# Altium PCB MB988.PcbDoc (part 2 of 4)
Units mil, origin at the board's own origin, x right, y up, seen from the top; angles counter-clockwise.
Board outline 4505 x 6805 mil, 4 copper layers (TopLayer, VCC, GND, BottomLayer), stack 71.6 mil thick; 546 components, 390 nets, 1907 pads, 809 vias.
Unrouted connection lines stored in the file: 2.
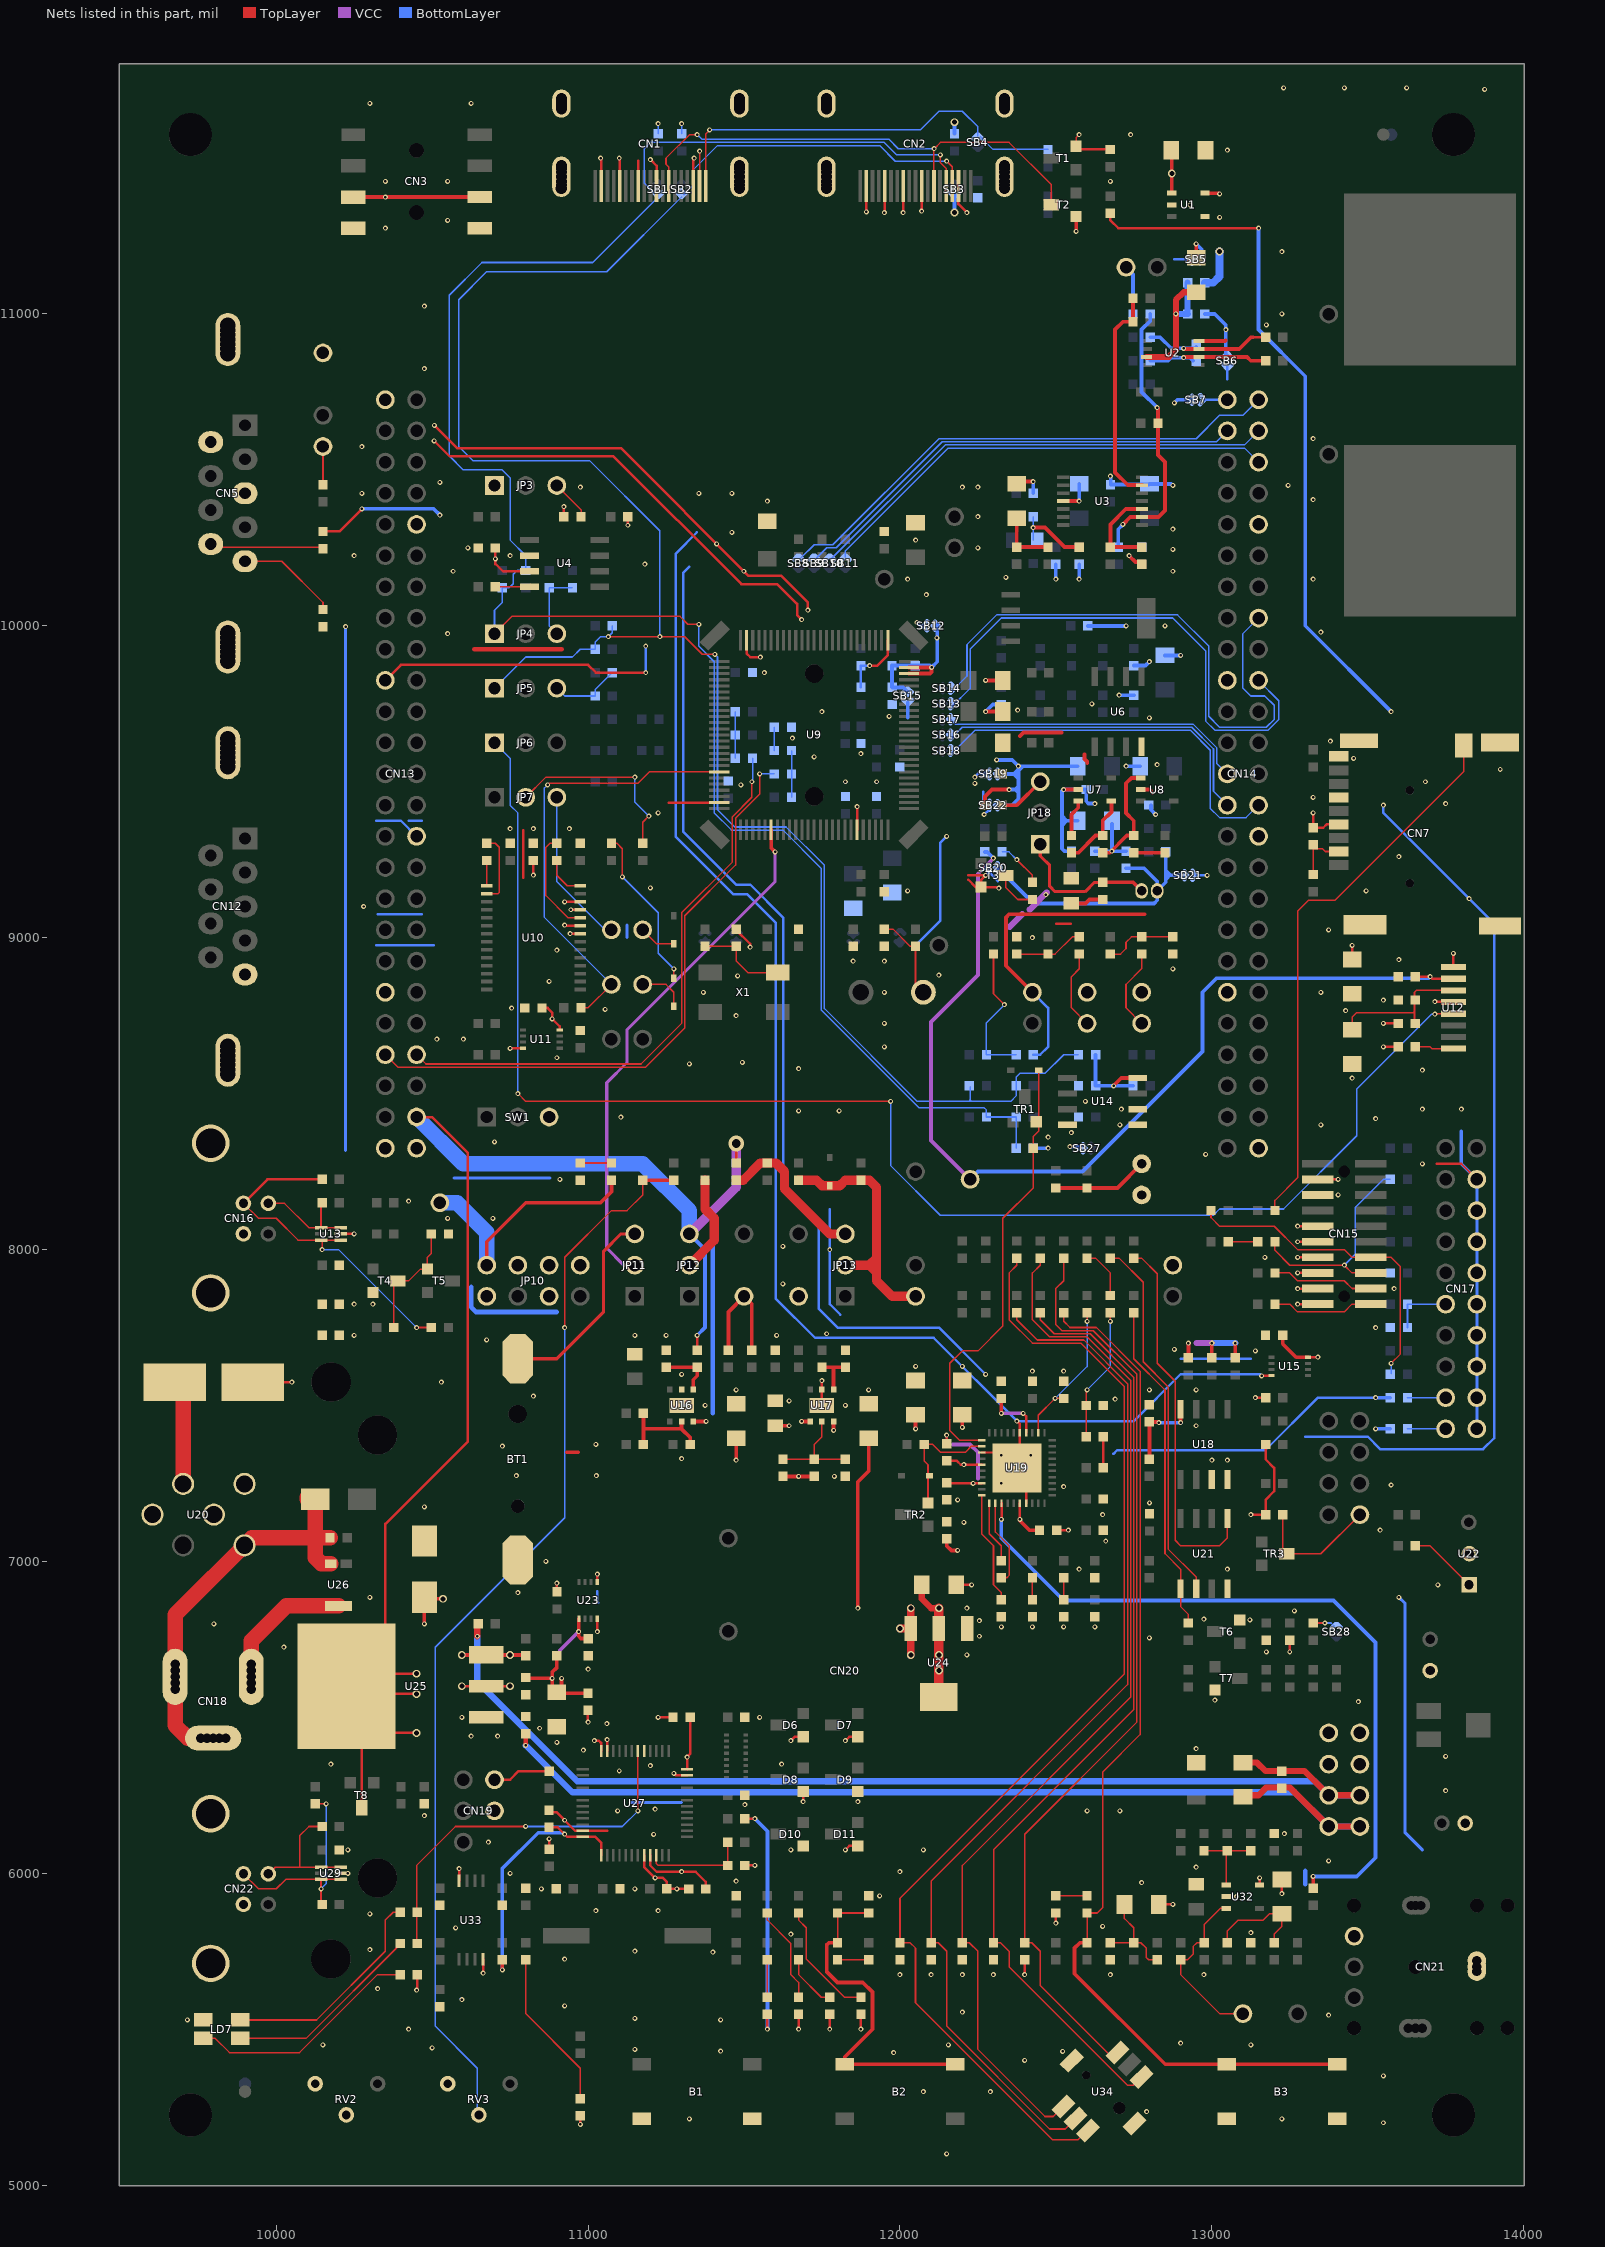
[diagram p4: the nets of this part, all layers, seen from the top]

## Footprints (in the part's own frame and the unit in brackets; to place one, negate y for a bottom-side part, rotate by r counter-clockwise, add the part's x,y. Pads: shape width x height; smd on the part's side, far side on the other; paste and mask are expansions set on the pad) (continued)
XTAL_socket [mil]
  round 80 hole 53 mask+4: 1(100,0) 2(-100,0)
  silkscreen extent -215,-89 214,89

## Free pads (board coordinates)
  round 137.8 hole 137.8 unplated mask+4: 0(9725,5225) 0(13775,5225) 0(13775,11575)
  round 137.79 hole 137.79 unplated mask+4: 0(9725,11575)

## Via types
v1: diameter 16, hole 8, TopLayer to BottomLayer, tented both sides, 786 vias
v2: diameter 25, hole 16, TopLayer to BottomLayer, tented both sides, 20 vias
v3: diameter 50, hole 28, TopLayer to BottomLayer, tented both sides, 3 vias

## Nets (pads, with @x,y where several pads share a name; then routed paths per layer and width w, separated by ;. In a path a pad name is that pad's centre, name@x,y a point inside that pad or via, vN(x,y) a via of type N, cw(c..) or ccw(c..) an arc to the next point about the centre after c; other vN are vias at no path point)
+1V8: C37.1 C41.2 R99.2 R102.2 R114.1 TP12.1 U17.4 | length 548.7
  TopLayer w12: R102.2@11450,7677.5 11450,7800 TP12.1@11500,7850 11525,7825 R99.2@11525,7677.5 ; C37.1@11600,7435 v1(11645,7435) ; C41.2@11625,7272.5 R114.1@11725,7272.5 ; v1(11685,7448.82) U17.4@11712.6,7448.82
  other v1: 11675,7272.5
+2V5: C32.1 C43.1 C49.1 C130.1 C132.1 R166.1 TP13.1 U19.13 U19.16 U19.34 U24.2 | length 3218.7
  TopLayer w8: v1@12325.79,7135.79 U19.13@12325.79,7187.01 ; v1@12384.84,7130.16 U19.16@12384.84,7187.01 ; v1(12395,7475) 12404.53,7465.47 U19.34@12404.53,7412.99
  TopLayer w12: C132.1@12150.28,7072.56 12150.28,7049.72 12165,7035 v1(12185,7035) ; v1(12200,7430) C32.1@12200,7470 ; v1@12325.28,7475.28 C43.1@12325.28,7522.44 ; v1@12384.84,7130.16 12415.28,7099.72 C130.1@12447.56,7099.72 ; R166.1@13325,5952.5 v1(13325,5990)
  TopLayer w20: C49.1@12070,6925 12070,6880 12100,6850 v2(12125,6850)
  TopLayer w30: U24.2@12125,6565 v2(12125,6850)
  VCC w12: v1(12325,7475) v1(12395,7475)
  BottomLayer w12: v1(12325,7135) 12325,7075 12525,6875 13390,6875 13525,6740 13525,6050 13465,5990 v1(13325,5990)
  other v1: 12384.84,7135
  other v2: 12125,6650 12125,6700
+3V3: C6.2 C12.2 C22.1 C23.1 C57.1 C58.1 C60.1 C61.2 C69.2 C76.2 C120.2 C124.2 C133.2 CN7.4 CN13.48 CN19.4 CN20.9 CN20.10 JP12.3 LD1.1 LD2.1 LD3.1 LD4.1 LD6.1 LD10.1 R2.2 R8.2 R9.1 R28.2 R48.1 R49.1 R56.2 R97.2 R110.2 R112.2 R118.2 R133.2 R153.2 R206.1 R237.1 R244.2 T8.3 TP7.1 U4.3 U10.22 U10.26 U11.8 U12.7 U15.8 U23.1 U25.2 U27.1 U27.9 U27.24 U27.36 U27.48 U32.5 U33.8 | length 14599.1
  TopLayer w8: R9.1@10150,10302.5 10202.5,10302.5 v1(10275,10375) ; T8.3@10274.5,6210 U25.2@10274.5,6509.5 ; U25.2@10300,6640 v2@10445,6640 ; U25.2@10305,6450 v2(10450,6450) ; U25.2@10305,6575 v2(10450,6575) ; U25.2@10350,6725 10350,7120 10615,7385 10615,8310 10500,8425 CN13.48@10450,8425 ; v1@10452.5,5627.5 R153.2@10452.5,5675 ; U33.8@10586.61,5975.98 v1(10586.61,6015) ; v2(10595,6600) v2(10750,6600) ; 10702.44,10197.56 C6.2@10702.44,10249.72 ; 10702.44,10200 10727.44,10175 U4.3@10812.5,10175 ; v1(10824.72,9200.28) C12.2@10824.72,9247.56 ; C120.2@10852.44,8774.72 10870.28,8774.72 10885,8760 v1(10885,8740) 10909.06,8715.94 U11.8@10909.06,8704.53 ; C69.2@10874.72,6147.56 10902.44,6147.56 10933.27,6116.73 11023.27,6116.73 11041.73,6098.27 U27.1@11041.73,6057.68 ; R8.2@10922.5,10350 v1(10922.5,10382.5) ; v1(10925,9115) 10925.16,9115.16 U10.26@10974.61,9115.16 ; v1(10942.8,9012.8) U10.22@10974.61,9012.8 ; v1(10975,5195) LD6.1@10975,5222.5 ; v1(11020,6425) 11035,6425 11041.73,6418.27 U27.36@11041.73,6392.32 ; U27.9@11199.21,6057.68 11199.21,6025.79 11220,6005 11345,6005 11377.44,5972.56 C76.2@11377.44,5949.72 ; U27.24@11317.32,6333.27 v1(11317.32,6372.68) 11327.44,6382.79 C61.2@11327.44,6499.72 ; R97.2@11350,7677.5 v1(11350,7725) ; R56.2@11475,8277.5 v3(11475,8340) ; R133.2@11502.5,6175 v1(11535,6175) ; v1(11575,5500) LD4.1@11575,5547.5 ; v1(11675,5500) LD3.1@11675,5547.5 ; v1(11775,5500) LD2.1@11775,5547.5 ; v1(11875,5500) LD1.1@11875,5547.5 ; R2.2@12675,11322.5 12675,11300 12700,11275 v1(13150,11275) ; v1(13125,7150) R112.2@13172.5,7150 13172.5,7197.5 13200,7225 13200,7300 13172.5,7327.5 R110.2@13172.5,7375 ; U32.5@13153.15,5962.4 v1(13153.15,5985) ; v1(13250,6710) R118.2@13250,6747.5 ; U15.8@13309.06,7654.53 13339.53,7654.53 v1(13340,7655) ; v1(13325,9400) R28.2@13325,9352.5 13357.5,9352.5 13367.99,9362.99 CN7.4@13406.65,9362.99 ; C22.1@13450,8930 v1(13450,8975) ; v1(13550,8650) R48.1@13597.5,8650 ; v1(13550,8725) R49.1@13597.5,8725 ; C23.1@13652.56,8875.28 13699.72,8875.28 13706.5,8868.5 U12.7@13775,8868.5
  TopLayer w12: v1(10725,5690) R244.2@10725,5722.5 ; C57.1@10802.28,6625 v1(10885,6625) ; C58.1@10885,6570 10885,6645 10900,6660 R237.1@10900,6697.5 ; C58.1@10912.56,6577.56 C60.1@10999.72,6577.56 ; C58.1@10915,6585 v1(10915,6625) ; U23.1@10970.47,6815.94 10970,6815.47 10970,6760 10977.56,6752.44 C133.2@11000.28,6752.44 ; C124.2@13227.44,7724.72 13227.44,7697.56 13270.47,7654.53 U15.8@13309.06,7654.53
  VCC w12: 10910,6715 v1(10970,6775) ; TP7.1@12225,8225 12100,8350 12100,8730 12250,8880 12250,9205 v1(12300,9255)
  VCC w30: JP12.3@11325,8050 11475,8200 v3(11475,8340)
  BottomLayer w12: v1(10275,10375) 10505,10375 v1(10525,10355) ; v1(10725,5690) 10725,6015 10840,6130 10920,6130 v1(10924.58,6125.42) ; JP12.3@11325,8050 11375,8000 11375,7750 v1(11350,7725) ; v1(11535,6175) 11575,6135 v1(11575,5500) ; TP7.1@12225,8225 12250,8250 12585,8250 12970,8635 12970,8825 13015,8870 13695,8870 v1(13700,8875) ; R206.1@12272.5,9275 12280,9275 v1(12300,9255) ; v1(13150,11275) 13150,10950 13300,10800 13300,10000 v1(13575,9725)
  BottomLayer w50: CN13.48@10450,8425 10600,8275 11175,8275 11325,8125 JP12.3@11325,8050
  other v1: 10450,5625 11300,6005 10985,6395 10702.44,10215
  other v2: 10450,6640
+5V: C39.1 C40.1 C42.1 C48.1 C121.2 C126.1 C127.2 C128.1 CN3.3 JP10.2 JP10.4 JP10.6 JP10.8 L2.2 R53.2 R101.1 R104.2 R105.2 R213.2 R214.2 R221.2 R235.1 R238.1 SB27.2 T2.2 TP8.1 U1.5 U14.8 U16.6 U17.6 U18.8 U19.5 U19.8 U24.3 U25.3 | length 4112.6
  TopLayer w8: C128.1@12149.72,7252.44 12151.37,7250.79 U19.8@12262.01,7250.79 ; C126.1@12150.28,7322.56 12182.44,7322.56 12195,7310 12235,7310 12235.16,7309.84 U19.5@12262.01,7309.84
  TopLayer w12: CN3.3@10247.5,11375 CN3.3@10652.5,11375 ; v1(10475,6800) C48.1@10475,6885 ; C48.1@10480,6880 v2(10535,6880) ; v2(10595,6700) U25.3@10655,6700 ; JP10.2@10675,7950 10675,8025 10800,8150 11040,8150 11075,8185 R53.2@11075,8222.5 ; U25.3@10700,6700 R238.1@10797.5,6700 ; U16.6@11337.4,7448.82 v1(11378.82,7448.82) ; v1(11475,7325) C40.1@11475,7395 ; v1(11787.4,7420) U17.6@11787.4,7448.82 ; v1(11865,6850) 11865,7254.95 11900,7289.95 C42.1@11900,7395 ; v1(12050,7425) C39.1@12050,7470 ; v1(12565,11265) T2.2@12565,11312.5 ; v1(12685,8525) 12710,8550 U14.8@12762.5,8550 ; R235.1@12800,7327.5 12800,7447.28 12827.72,7447.28 v1(12830,7445) ; v1(12900,7445) U18.8@12900,7487.5 ; R101.1@12925,7652.5 v1(12925,7700) ; U1.5@12978.15,11387.4 13022.6,11387.4 v1(13025,11385) ; R104.2@13000,7652.5 v1(13000,7700) ; R105.2@13075,7652.5 v1(13075,7700)
  TopLayer w25: v2(12000,6785) U24.3@12034.45,6785 ; v2(12035,6700) 12034.45,6700.55 12034.45,6849.45 v2(12035,6850)
  VCC w12: 12170,7375 12225,7375 12250,7350 12250,7265
  VCC w20: 12952,7700 v1(13000,7700)
  BottomLayer w12: R221.2@12425,8325 v1(12475,8325) ; v1(12545,8330) SB27.2@12582,8330 ; R213.2@12627.44,8624.94 C121.2@12627.44,8525.28 12627.72,8525 R214.2@12747.5,8525 ; v1(12830,7445) v1(12900,7445) ; 13025,11152.5 v2(13025,11200)
  BottomLayer w20: v1(13000,7700) v1(13075,7700)
  BottomLayer w25: L2.2@12977.5,11100 13005,11100 13025,11120 v2(13025,11200)
  BottomLayer w50: TP8.1@10525,8150 10580,8150 10675,8055 JP10.2@10675,7950
  other v1: 12235,7250 12205,7310 10350,11375
  other v2: 10750,6700
AGND: C3.2 C4.1 C5.2 C8.2 C9.2 C10.2 C11.2 C17.1 C90.1 C92.1 C93.1 C94.2 C95.2 C97.1 C100.1 C102.1 C103.1 C105.1 C106.2 C107.1 C108.2 C109.2 C111.1 C113.1 C114.2 C118.1 CN6.2 CN9.1 L3.2 R15.1 R30.1 R121.2 R188.1 R197.1 R198.2 R207.2 R208.1 SB5.2 SB6.2 SB7.2 SB12.2 SB15.2 SB19.2 SB20.2 SB21.2 SB22.2 U2.4 U3.11 U6.4 U7.2 U8.2 U9.48 U9.49 | length 5627.2
  TopLayer w8: CN6.2@12825,9150 CN6.2@12825,9171.5
  TopLayer w12: U9.48@12029.13,9846.85 12096.85,9846.85 12101.53,9851.53 v1(12101.53,9866.53) U9.49@12029.13,9866.53 ; R121.2@12272.5,9425 12272.5,9452.5 12295,9475 v1(12350,9475) ; v1(12275,9725) C10.2@12330,9725 ; v1(12275,9825) C9.2@12330,9825 ; 12350,9075 12340,9065 12340,8910 CN9.1@12425,8825 ; 12354,9075 12784,9075 ; 12385,9646.5 12396.5,9658 12518.69,9658 ; C5.2@12387.5,10462.5 v1(12427.5,10462.5) ; U3.11@12524.02,10400 v1(12575,10400) ; v1(12525,9475) U7.2@12571.85,9475 ; 12591.96,9588.34 12591.96,9573.04 12600.35,9564.65 12600.35,9560 ; v1(12735,10225) 12755,10205 R15.1@12775,10205 ; U8.2@12771.85,9475 12800,9475 12810,9465 ; C3.2@12950,11180 v1(12950,11225) ; U2.4@12959.69,10913.39 13043.39,10913.39 13045,10915
  VCC w20: 12352,9035 12392,9075 ; 12416,9090 v1@12471,9145
  BottomLayer w8: CN9.1@12425,8825 12475,8775 12475,8650 12450,8625 C118.1@12427.5,8625
  BottomLayer w12: L3.2@11974.72,9802.78 C102.1@11974.72,9872.44 12095.63,9872.44 v1(12101.53,9866.53) 12120,9885 SB12.2@12120,10005 ; L3.2@11975,9802.5 12010.5,9802.5 SB15.2@12025,9788 ; v1(12275,9725) 12297.5,9747.5 R197.1@12325,9747.5 ; v1(12310,9570) 12360,9570 v1(12380,9550) ; SB20.2@12313,9225 12428,9110 12815,9110 12825,9120 12825,9180 12782.56,9222.44 C113.1@12724.72,9222.44 ; SB19.2@12313,9525 12376.5,9525 ; SB22.2@12318,9425 12360,9425 12380,9445 v1(12380,9550) ; v1(12350,9475) 12380,9475 ; 12380,9465 12370,9475 12380,9485 ; 12380,9510 12365,9525 12380,9540 ; 12380,9535 12395,9550 ; C92.1@12427.5,10425 v1(12427.5,10462.5) ; v1(12500,10150) R188.1@12500,10197.5 ; 12520,9360 12535,9375 12520,9390 ; 12520,9375 C114.2@12570,9375 ; R207.2@12550,9277.5 12527.5,9277.5 12520,9285 12520,9470 v1(12525,9475) C107.1@12597.15,9475 ; C108.2@12570,9550 v1(12380,9550) ; C97.1@12574.72,10197.44 12574.72,10150.28 v1(12575,10150) ; v1(12575,10400) C94.2@12575,10455 ; C107.1@12597.44,9475.28 12597.44,9437.56 12605,9430 v1(12625,9430) ; C100.1@12602.56,9999.72 12724.72,9999.72 v1(12725,10000) ; v1(12675,10480) 12675.87,10479.13 12675.87,10453.15 C95.2@12798.15,10453.15 ; v1(12702.56,9777.56) C105.1@12750.28,9777.56 ; v1(12725,9550) C109.2@12770,9550 ; R198.2@12750,9872.5 12787.5,9872.5 v1(12800,9885) ; C95.2@12800,10455 12870,10455 v1(12875,10450) ; C111.1@12805,9425 12805,9410 v1(12820,9395) ; CN6.2@12825,9150 12852.5,9177.5 R208.1@12852.5,9275 ; C106.2@12850,9905 v1(12900,9905) ; 12852.5,9190 12855,9190 12865,9200 12865,9202.5 12852.5,9215 ; 12852.5,9200 SB21.2@12907,9200 ; v1(12880,10715) 12890,10725 SB7.2@12937,10725 ; v1(12950,11225) 12968,11207 SB5.2@12968,11182 ; C90.1@12977.56,10999.72 13009.72,10999.72 13045,10964.43 SB6.2@13045,10868 ; SB6.2@13050,10863 SB6.2@13050,10868
  other v1: 12467.79,9138.32 12825,9555 12800,9705 12377.5,9730 12615.31,9750 12118.17,9961.35 13350,9980 12850,10000 12085,10100 12025,10150 13325,10150 12340,10155 12875,10175 12875,10245 12250,10250 12050,10275 12875,10310 12250,10350 13325,10405 12200,10445 12250,10445 13325,10600 13045,10950 13175,10965 13225,11200 13875,11720 13230,11725 13425,11725 13625,11725
AIN_1: R134.2 R138.1 U27.10 | length 332.7
  TopLayer w5: U27.10@11218.9,6057.68 11218.9,6031.1 11225,6025 R138.1@11447.5,6025 R134.2@11447.5,6100
BOOT0: JP9.2 R216.1 U9.94 | length 1430
  TopLayer w5: v1(10870,9490) 10875,9495 11160,9495 11196.89,9531.89 U9.94@11420.87,9531.89 ; R216.1@10977.5,8775 11000,8775 JP9.2@11075,8850
  BottomLayer w5: v1(10870,9490) 10860,9480 10860,9065 JP9.2@11075,8850
D5V: CN13.49 CN14.19 JP10.1
E5V: C34.1 JP10.5 U20.3 | length 313.1
  TopLayer w50: U20.3@9701.57,7248.43 C34.1@9701.57,7561.57
GND: B1.1 B1.4 B3.1 B3.4 BT1.2 C1.2 C6.1 C7.1 C12.1 C15.2 C16.2 C18.2 C19.2 C20.1 C21.1 C22.2 C23.2 C24.2 C25.2 C26.1 C27.2 C28.2 C29.1 C30.2 C31.2 C32.2 C34.2 C36.2 C37.2 C38.2 C39.2 C40.2 C42.2 C43.2 C44.2 C45.1 C46.1 C48.2 C49.2 C51.1 C52.2 C53.1 C54.2 C57.2 C58.2 C59.2 C60.2 C61.1 C62.1 C63.1 C69.1 C71.2 C73.1 C74.1 C76.1 C77.1 C79.2 C80.2 C81.2 C82.2 C84.1 C85.1 C86.1 C87.1 C88.1 C99.2 C110.1 C112.2 C115.2 C116.2 C117.2 C119.1 C120.1 C121.1 C122.2 C123.1 C124.1 C125.1 C126.2 C127.1 C128.2 C129.2 C130.2 C131.2 C132.2 C133.1 C134.2 C135.2 CN1.0 CN1.2 CN1.5 CN1.8 CN1.11 CN1.17 CN2.0 CN2.2 CN2.5 CN2.8 CN2.11 CN2.17 CN3.4 CN5.0 CN5.3 CN5.6 CN7.0 CN7.6 CN7.9 CN10.1 CN11.1 CN12.0 CN12.5 CN13.1 CN13.10 CN13.19 CN13.30 CN13.39 CN13.50 CN14.1 CN14.10 CN14.30 CN14.39 CN14.50 CN15.3 CN15.5 CN15.9 CN15.11 CN15.13 CN15.15 CN15.17 CN15.19 CN16.4 CN17.4 CN17.6 CN17.8 CN17.10 CN17.12 CN17.14 CN17.16 CN17.18 CN17.20 CN19.2 CN20.11 CN20.12 CN21.1 CN21.4 CN22.0 CN22.4 D6.2 D7.2 D8.2 D9.2 D10.2 D11.2 JP3.1 JP14.2 L3.1 L5.1 LD7.1 LD8.2 R19.1 R63.1 R66.2 R76.1 R103.1 R111.2 R115.1 R116.1 R126.2 R127.1 R132.2 R137.1 R138.2 R144.2 R145.1 R151.2 R152.1 R160.1 R168.2 R175.1 R182.2 R219.1 R226.1 R229.1 R232.1 R233.2 R234.1 R242.2 R243.2 RV2.2 RV2.3 RV3.3 SB5.1 SB6.1 SB7.1 SB12.1 SB15.1 SB19.1 SB20.1 SB21.1 SB22.1 SW1.3 T3.1 T4.1 T6.1 T7.1 TP2.1 U1.2 U1.4 U4.2 U9.20 U9.74 U9.99 U10.23 U10.25 U11.4 U12.5 U12.8 U13.2 U14.4 U14.5 U14.6 U15.4 U16.0 U16.2 U17.0 U17.2 U18.3 U18.4 U19.0 U19.3 U19.17 U19.35 U20.4 U20.5 U20.6 U21.4 U22.2 U23.4 U23.5 U24.1 U25.1 U27.8 U27.23 U27.35 U27.47 U28.1 U29.2 U32.2 U33.4 U34.0 | length 27129.4
  TopLayer w8: C34.2@9925,7575 v1(10050,7575) ; U29.2@10206.3,6000 v1(10230,6000) ; U13.2@10206.3,8050 v1(10250,8050) ; v1@10229.72,6074.72 v1(10230,6075) ; CN13.19@10350,9825 10400,9875 11000,9875 11025,9850 v1(11185,9850) ; v1(10506.71,10593.29) 10556.5,10543.5 11081.5,10543.5 11491.5,10133.5 11606.5,10133.5 11670,10070 11670,10035 v1(11685,10020) ; v1(10507.29,10642.71) 10580,10570 11105,10570 11515,10160 11620,10160 11705,10075 v1(11705,10050) ; v1(10550,8100) v1@10552.5,8097.5 ; v1(10663.39,5680) U33.4@10663.39,5724.02 ; CN19.2@10700,6300 10750,6300 10777.5,6327.5 R127.1@10875,6327.5 ; v1(10750,8645) 10750.47,8645.47 U11.4@10790.94,8645.47 ; v1(10750,9350) v1@10750.28,9349.72 ; v1(10755,8774.5) v1@10755.22,8774.72 ; 10792.78,9192.78 10792.78,9344.94 ; v1@10824.72,9349.72 v1(10825,9350) ; C69.1@10870,6195 10900,6195 10958.58,6136.42 U27.47@10982.68,6136.42 11061.42,6136.42 ; R137.1@10875,6077.5 v1(10875,6110) ; v1(10900,6930) 10900.28,6929.72 C131.2@10900.28,6902.44 ; v1(10925,9040) 10926.61,9038.39 U10.23@10974.61,9038.39 ; v1(10945,9089.57) U10.25@10974.61,9089.57 ; C60.2@10999.72,6522.56 10999.72,6485.28 v1(11000,6485) ; v1(11000,6654.94) v1@11000.28,6655.22 ; v1@11029.53,6775.47 v1(11030,6775) 11030,6815.47 U23.4@11029.53,6815.94 ; U23.5@11029.53,6934.06 v1(11029.53,6959.53) ; v1(11040,11500) 11042.52,11497.48 CN1.2@11042.52,11410 ; U27.35@11061.42,6392.32 v1(11061.42,6428.58) ; v1(11100,11500) 11101.57,11498.43 CN1.5@11101.57,11410 ; v1(11127.5,10322.5) R182.2@11127.5,10350 ; CN1.8@11160.63,11410 11160.63,11490.63 ; U27.8@11179.53,6057.68 11179.53,6020.47 v1(11215,5985) 11240,5985 11252.5,5972.5 C74.1@11252.5,5950 C76.1@11322.15,5950 ; v1(11200,11495) 11219.68,11475.32 CN1.11@11219.68,11410 ; v1(11225,6500) 11225.28,6499.72 C61.1@11272.44,6499.72 ; v1(11250,7725) v1@11250.28,7724.72 ; 11258.47,9433.47 U9.99@11420.87,9433.47 ; v1(11275,6320) 11281.42,6313.58 U27.23@11317.32,6313.58 ; CN1.17@11337.8,11410 11337.8,11497.8 v1(11340,11500) ; v1(11412.47,10262.47) v1(11412.47,10262.47) ; v1@11474.72,5974.72 v1(11475,5975) ; C24.2@11475,9025 11520,8980 v1(11520,8970) ; R138.2@11502.5,6025 v1(11535,6025) ; U9.74@11508.46,9954.13 11508.46,9911.54 11520,9900 v1(11552.44,9900) ; v1(11650,6425) 11662.5,6437.5 D6.2@11690,6437.5 ; v1(11690,6230) D8.2@11690,6262.5 ; U17.0@11750,7500 v1(11750,7580) ; v1(11825,6075) 11837.5,6087.5 D11.2@11865,6087.5 ; v1(11825,6425) 11837.5,6437.5 D7.2@11865,6437.5 ; U9.20@11862.79,9345.87 v1(11862.8,9420) ; v1(11892.52,11327.52) CN2.2@11892.52,11410 ; v1(11950,11325) 11951.57,11326.57 CN2.5@11951.57,11410 ; v1(12000,5675) v1@12000.28,5675.28 ; v1(12010,11325) 12010.63,11325.63 CN2.8@12010.63,11410 ; v1@12022.44,9147.44 v1(12025,9150) ; v1(12069.68,11329.68) CN2.11@12069.68,11410 ; C126.2@12150,7375 v1(12150,7405) ; C49.2@12185,6925 v1(12230,6925) ; CN2.17@12187.8,11410 12187.8,11352.2 v1(12215,11325) ; v1(12200,5675) v1@12200.28,5675.28 ; v1(12215,6700) v1@12215.55,6700.55 ; v1(12215,6850) v1@12215.55,6849.45 ; 12219.5,9185.86 12242.86,9162.5 12254,9162.5 12314.05,9162.5 v1(12317.55,9159) ; 12219.5,9200 v1(12275,9200) 12260,9185 T3.1@12260,9162.5 ; U19.3@12262.01,7349.21 U19.0@12309.21,7349.21 ; v1(12300,5675) v1@12300.28,5675.28 ; v1(12375,7450) 12384.84,7440.16 12384.84,7355.16 U19.0@12385,7355 ; v1(12400,5675) 12400.28,5675.28 C88.1@12400.28,5722.44 ; U19.17@12404.53,7187.01 12404.53,7244.53 U19.0@12405,7245 ; v1(12500,5840) R152.1@12500,5872.5 ; 12501.97,9045 12548.03,9045 ; C130.2@12502.56,7099.72 12539.72,7099.72 v1(12540,7100) ; C127.1@12799.72,7502.56 C127.1@12800,7502.85 ; C80.2@12830,5900 v1(12875,5900) ; v1(13140,7525) 13140.28,7524.72 C125.1@13172.56,7524.72 ; v1@13160.47,7595.47 U15.4@13190.94,7595.47 ; v1(13225,5935) C82.2@13225,5980 ; v1(13275,7825) CN15.19@13340,7825 ; v1(13275,7875) CN15.17@13340,7875 ; v1(13275,7925) CN15.15@13340,7925 ; v1(13275,7975) CN15.13@13340,7975 ; v1(13275,8025) CN15.11@13340,8025 ; v1(13275,8075) CN15.9@13340,8075 ; CN15.3@13340,8225 v1(13405,8225) ; v1(13550,8800) v1@13550.28,8800.28 ; v1(13715,8795) U12.5@13773.7,8795 ; 13721.61,8275 13800,8275 CN17.4@13850,8225 ; U12.8@13775,8905.91 v1(13775,8950)
  TopLayer w12: 10932.53,7350 10967.47,7350
  TopLayer w15: 10635,9925 10916.01,9925
  BottomLayer w8: 10321.61,8975 10505,8975 ; 10321.61,9375 10400,9375 CN13.30@10450,9325 ; 10325,9075 10466.01,9075 ; 10425,9375 10466.01,9375 ; v1@10592.5,5597.5 v1(10595,5595) ; 11030.16,6904.84 11030.16,6869.33 11031.96,6867.53 ; v1(11185,9850) v1(11185,9935) ; 11304.5,10107 11304.5,10169.14 11325,10189.64 ; 11304.5,10154.5 11304.5,9340.5 11475,9170 11520,9170 11626.5,9063.5 11626.5,8198.5 11740,8085 11740,7810 11800,7750 12125,7750 v1(12275,7600) ; 11349,10300 11281.5,10231.5 11281.5,9323.5 11465,9140 11510,9140 11601.5,9048.5 11601.5,7843.5 11728.5,7716.5 12108.5,7716.5 v1(12375,7450) 12750,7450 12900,7600 13155,7600 v1(13160,7595) ; v1@11564.72,9850.28 v1(11565,9850) ; 11775,8130 11775,7825 11809.02,7790.98 ; v1(11875,9590) v1@11875.28,9590.28 ; 12050,8975 12130,9055 12130,9305 v1(12150,9325) ; v1(12055,10010) v1@12057,10008 ; v1(12240,9515) 12250,9525 SB19.1@12275,9525 ; 12267.68,9467.68 12267.68,9432.32 SB22.1@12275,9425 ; v1(12270,9395) SB22.1@12285,9410 ; v1(12275,9200) 12285,9210 12313.89,9181.11 ; 12684.64,7345 12696.14,7356.5 13171.5,7356.5 13340,7525 v1(13525,7525) ; 12880,11175 SB5.1@12925,11175 ; 12900,7650 13125,7650 ; SB21.1@12950,9200 v1(12985,9200) ; SB7.1@12976,10725 CN14.1@13050,10725 ; 13050,10789.92 SB6.1@13050,10830 ; 13300,7400 13500,7400 13540,7360 13870,7360 13905,7395 13905,9045 13550,9400 v1(13550,9425)
  BottomLayer w10: 10222.5,8317.5 v1(10222.5,9997.5) ; 10570.75,8230 10877.43,8230 ; 11125,9000 11125,9041.01 ; 11135,6227.5 11300,6227.5 ; v1(11621,6350) v1@11621,6351 ; 12025,9704.9 SB15.1@12025,9755 ; v1(12055,10010) 12065,10000 SB12.1@12074,10000 ; v1(13600,6885) 13620,6865 13620,6130 13675,6075 ; 13800,8380 13800,8275 CN17.4@13850,8225 CN17.20@13850,7425
  BottomLayer w12: v1@10249.72,8050.28 v1(10250,8050) ; v1(10600,8675) v1@10600.28,8675.28 ; v1(11825,9500) v1@11825.28,9499.72 ; v1@11924.72,9499.72 v1(11925,9500) ; v1@12539.72,7100.28 v1(12540,7100) ; v1(13525,7425) R234.1@13572.5,7425 ; v1(13525,7525) R232.1@13572.5,7525
  BottomLayer w15: 10625,7880 10625,7815 10640,7800 10900,7800 ; 11390,8025.31 11400,8015.31 11400,7475 ; 13300,5965 13300,6007.47
  other v1: 12150,5100 13550,5200 11325,5212.5 13225,5212.5 12790.86,5235.8 12075,5300 12290,5300 13550,5350 12400,5400 11980,5425 12521.44,5428.56 11425,5430 11150,5435 10500,5440 10150,5450 12155,5450 13125,5450 12900,5455 10425,5500 9715,5529.53 11425,5530 11150,5535 13375,5545 12200,5555 10925,5575 10325,5630 12100.28,5675.28 12675,5675 12975,5675 10925,5725 11400,5747.5 11150,5750 10300,5755 11650,5805 13125,5810 10575,5825 12650,5830 10300,5870 11025,5880 11225,5880 13080,5925 11935,5927.5 10850,5950 11150,5950 11285,5950 12775,5970 10750,6000 12000,6005 12950,6020 13375,6040 11650,6075 12075,6075 10680,6100 11210,6125 13232.5,6127.5 10925,6170 10475,6185 11095,6200 12600,6200 12705,6200 11215,6205.79 11502.56,6220 11865,6230 13750,6265 11100,6328.03 11200,6345.14 10175,6350 13750,6375 12950,6400 10900,6420 10625,6440 10710,6440 10845,6465 11060,6480 10595,6500 11550,6500 13470,6550 13010,6555 13175,6710 10025,6725 12800,6755 12255,6760 12325,6790 12425,6790 12525,6790 12625,6790 9800,6800 12255,6810 13122.5,6812.5 12975,6815 13265,6841.5 10300,6885 10775,6900 13725,6925 12575,6975 13050,6975 10865,7000 12660,7065 13540,7100 12205,7125 12650,7150 10475,7175 12800.28,7187.44 12184.72,7197.44 12525,7240 13575,7245 12325,7250 11790,7272.5 10770,7275 11026.96,7275 13000,7325 13050,7325 11300,7329.5 12325,7340 12420,7340 10725,7370 11025,7375 12950,7435 11375,7500 11825,7500 11645,7515 12690,7520 10825,7530 11475,7550 11900,7550 12800,7550 12950,7550 10530,7575 11300,7600 12425,7610 12525,7610 12050,7625 12200,7625 13140,7675 12880,7680 10675,7710 10250,7725 11150,7725 11605,7725 11765,7730 13525,7750 10250,7825 10310,7825 13585,7875 11625,7890 13170,7975 11775,8000 11625,8010 10695,8100 10425,8155 13405,8175 10910,8225 13675,8275 12980,8305 10700,8345 12475,8360.5 12550,8375 12705,8400 13350,8400 13525,8420 11105,8425 11675,8445 11805,8445 12710,8450 13675,8450 13800,8450 12595,8475 13450,8550 13675,8575 11675,8580 11325,8595 11495,8600 10900,8615 11950,8650 10515,8675 11950,8725 11475,8750 13428.8,8766.23 11055,8770 11370,8825 11950,8825 13350,8825 10875,8860 11479.66,8877.92 12125,8880 12875,8900 11850,8925 11950,8925 13600,8930 10900,8960 12425,9000 13375,9025 10280,9100 13825,9125 13495,9150 11200,9160 13600,9260 10940,9350 11225,9400 13750,9430 13325,9450 11490,9490 12240,9495 13685,9500 13925,9540 13455,9575 11725,9580 13380,9630 11655,9640 11965,9710 11750,9725 10550,9975 10567.43,10175 11500,10175 11182.5,10197.5 10250,10225 10750,10225 10615,10249.72 11461,10300 11575,10400 10275,10425 11355,10425 11461,10425 10975,10445 13245,10450 10525,10460 10275,10575 10475,10825 13225,11000 10475,11025 10350,11275 10550,11300 13025,11310 12930,11350 10350,11425 10550,11425 12675,11425 13050,11525 12740,11575 10300,11675 10625,11675